# Altium PCB F407.PcbDoc (part 3 of 3)
Units mil, origin at the board's own origin, x right, y up, seen from the top; angles counter-clockwise.
Board outline 3789 x 2423 mil, 2 copper layers (Top Layer, Bottom Layer); 112 components, 163 nets, 540 pads, 276 vias.
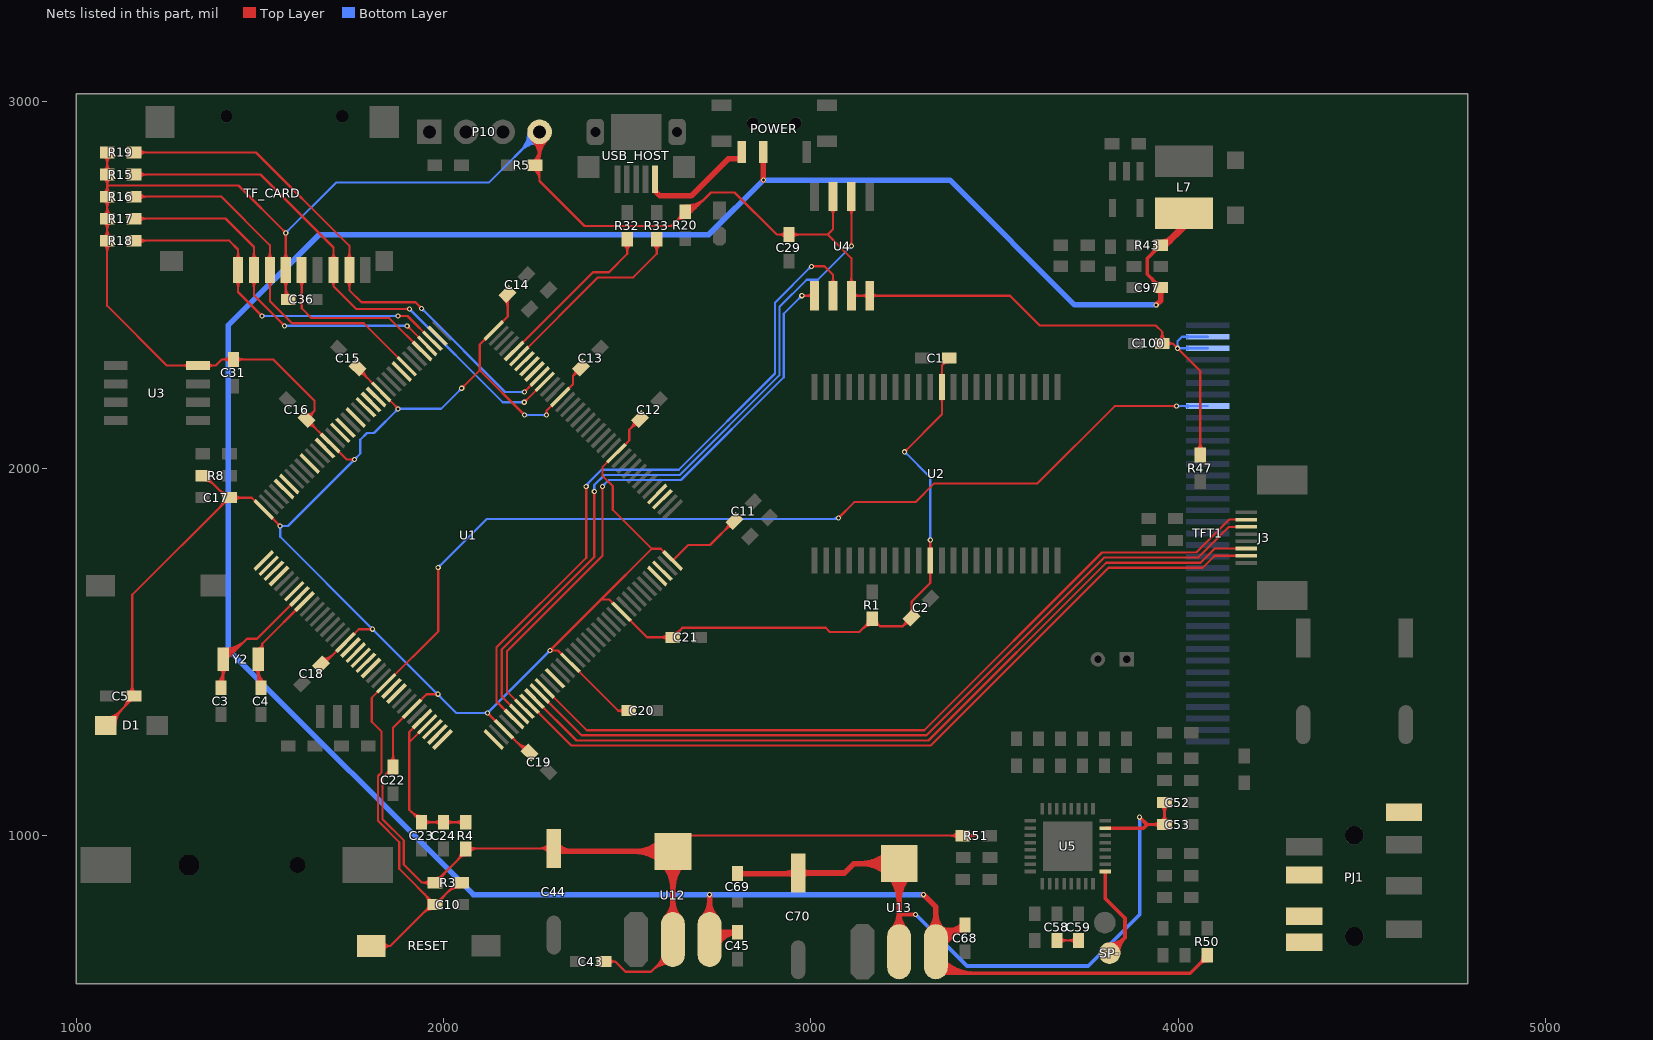
[diagram p3: the nets of this part, all layers, seen from the top]

## Via types
v1: diameter 14, hole 8, Top Layer to Bottom Layer, 267 vias
v2: diameter 27.56, hole 15.75, Top Layer to Bottom Layer, 9 vias

## Nets (pads, with @x,y where several pads share a name; then routed paths per layer and width w, separated by ;. In a path a pad name is that pad's centre, name@x,y a point inside that pad or via, vN(x,y) a via of type N, cw(c..) or ccw(c..) an arc to the next point about the centre after c; other vN are vias at no path point) (continued)
NetSP-_1: SP-.1 U5.25 | length 409.8
  Top Layer w10: U5.25@3801.41,902.1 3801.41,828.59 3855,775 3855,722 SP-.1@3813,680 ; SP-.1@3813,694.53 ccw(c3813,729.6) 3837.8,704.8 ccw(c3862.6,680) SP-.1@3827.53,680 ; SP-.1@3813,704.53 ccw(c3813,763.74) 3854.87,721.87 ccw(c3896.74,680) SP-.1@3837.53,680
PA0: U1.34
PA1: U1.35
PA2: U1.36
PA3: U1.37
PA5: U1.41 U4.6 | length 1950.1
  Top Layer w6: U1.41@2191.78,1317.26 2144,1365.05 2144,1512.6 2388,1756.6 v1(2388,1951) ; v1@2385.17,1948.17 cw(c2378.34,1941.34) 2388,1941.34 cw(c2397.66,1941.34) v1@2390.83,1948.17 ; v1(3001,2550) 3037,2550 3060,2527 U4.6@3060,2470 ; v1@3003.83,2547.17 cw(c3010.66,2540.34) 3010.66,2550 cw(c3010.66,2559.66) v1@3003.83,2552.83 ; U4.6@3053.64,2504.36 ccw(c3038.27,2519.73) 3060,2519.73 ccw(c3081.73,2519.73) U4.6@3066.36,2504.36
  Bottom Layer w6: v1(2388,1951) 2388,1954.46 2429.54,1996 2639.97,1996 2902,2258.03 2902,2451 v1(3001,2550) ; v1@2392,1951 cw(c2410,1951) 2397.27,1963.73 ; v1@2997,2550 cw(c2987.34,2550) 2994.17,2543.17 cw(c3001,2536.34) v1@3001,2546
PA6: U1.42 U4.2 | length 2055.6
  Top Layer w6: U1.42@2205.7,1331.18 2158,1378.89 2158,1506.8 2410,1758.8 v1(2410,1937) ; v1@2407.17,1934.17 cw(c2400.34,1927.34) 2410,1927.34 cw(c2419.66,1927.34) v1@2412.83,1934.17 ; U4.2@3103.57,2705.64 cw(c3088.05,2690.12) 3110,2690.12 ; v1@3107.17,2607.83 ccw(c3100.34,2614.66) 3110,2614.66 ccw(c3119.66,2614.66) v1@3112.83,2607.83 ; U4.2@3109.94,2740 3110,2739.94 v1(3110,2605) ; 3110,2690.43 cw(c3131.51,2690.43) U4.2@3116.3,2705.64
  Bottom Layer w6: v1@2407.17,1939.83 ccw(c2400.34,1946.66) 2410,1946.66 ccw(c2419.66,1946.66) v1@2412.83,1939.83 ; v1(2410,1937) 2410,1954.46 2437.54,1982 2642.94,1982 2914,2253.06 2914,2439 2988.4,2513.4 3018.4,2513.4 v1(3110,2605) ; v1@3106,2605 cw(c3096.34,2605) 3103.17,2598.17 cw(c3110,2591.34) v1@3110,2601
PA7: U1.43 U4.5 | length 1722.4
  Top Layer w6: U1.43@2219.62,1345.1 2172,1392.73 2172,1501 2432,1761 v1(2432,1951) ; v1@2429.17,1948.17 cw(c2422.34,1941.34) 2432,1941.34 cw(c2441.66,1941.34) v1@2434.83,1948.17 ; v1(2975,2470) U4.5@3010,2470 ; v1@2977.83,2467.17 cw(c2984.66,2460.34) 2984.66,2470 cw(c2984.66,2479.66) v1@2977.83,2472.83 ; U4.5@3003.64,2463.64 ccw(c2988.27,2448.27) 2988.27,2470 ccw(c2988.27,2491.73) U4.5@3003.64,2476.36
  Bottom Layer w6: v1(2432,1951) 2449,1968 2645.91,1968 2926,2248.09 2926,2421 v1(2975,2470) ; v1@2432,1955 ccw(c2432,1964.66) 2438.83,1957.83 ccw(c2445.66,1951) v1@2436,1951 ; v1@2971,2470 cw(c2961.34,2470) 2968.17,2463.17 cw(c2975,2456.34) v1@2975,2466
PA8: U1.100
PA9: U1.101
PA10: U1.102
PA11: R33.2 U1.103 | length 603.1
  Top Layer w6: U1.103@2205.7,2305.54 2420.16,2520 2516,2520 2580,2584 R33.2@2580,2623.5 ; R33.2@2570.99,2610.23 cw(c2549.22,2588.47) 2580,2588.47 cw(c2610.78,2588.47) R33.2@2589.01,2610.23 ; R33.2@2575.23,2614.48 cw(c2563.71,2602.96) 2580,2602.96 cw(c2596.29,2602.96) R33.2@2584.77,2614.48
PA12: R32.2 U1.104 | length 531.2
  Top Layer w6: U1.104@2191.78,2319.46 2406.32,2534 2450,2534 2500,2584 R32.2@2500,2623.5 ; R32.2@2490.99,2610.23 cw(c2469.22,2588.47) 2500,2588.47 cw(c2530.78,2588.47) R32.2@2509.01,2610.23 ; R32.2@2495.23,2614.48 cw(c2483.71,2602.96) 2500,2602.96 cw(c2516.29,2602.96) R32.2@2504.77,2614.48
PA15: U1.110
PB0: J3.3 U1.46 | length 2205.9
  Top Layer w6: U1.46@2261.38,1386.86 2375.24,1273 3314.4,1273 3798.4,1757 4054.8,1757 4138.43,1840.63 J3.3@4185,1840.63
PB1: J3.2 U1.47 | length 2194.3
  Top Layer w6: U1.47@2275.3,1400.78 2389.08,1287 3308.6,1287 3792.6,1771 4049,1771 4138.31,1860.32 J3.2@4185,1860.32
PB5: U1.135
PB8: U1.139
PB9: U1.140
PB10: U1.69
PB11: U1.70
PB14: U1.75
PB15: U1.76
PC0: U1.26
PC1: U1.27
PC4: J3.7 U1.44 | length 2212.8
  Top Layer w6: U1.44@2233.54,1359.02 2347.57,1245 3326,1245 3810,1729 4066.4,1729 4099.29,1761.89 J3.7@4185,1761.89
PC5: J3.6 U1.45 | length 2201.2
  Top Layer w6: U1.45@2247.46,1372.94 2361.4,1259 3320.2,1259 3804.2,1743 4060.6,1743 4099.17,1781.58 J3.6@4185,1781.58
PC8: R15.1 TF_CARD.7 U1.98 | length 1667.3
  Top Layer w6: R15.1@1156.5,2800 1501,2800 1699.84,2601.16 TF_CARD.7@1699.84,2540 1699.84,2496.16 ; R15.1@1165.52,2795.23 cw(c1177.04,2783.71) 1177.04,2800 cw(c1177.04,2816.29) R15.1@1165.52,2804.77 ; R15.1@1169.77,2790.99 cw(c1191.53,2769.22) 1191.53,2800 cw(c1191.53,2830.78) R15.1@1169.77,2809.01 ; TF_CARD.7@1692.22,2569.28 ccw(c1673.82,2587.68) 1699.84,2587.68 ccw(c1725.87,2587.68) TF_CARD.7@1707.46,2569.28 ; TF_CARD.7@1693.18,2509.87 cw(c1682.4,2496.16) 1699.84,2496.16 ; TF_CARD.7@1706.51,2509.87 ccw(c1717.29,2496.16) 1699.84,2496.16 ; v1@1904.17,2431.17 ccw(c1897.34,2424.34) 1897.34,2434 ccw(c1897.34,2443.66) v1@1904.17,2436.83 ; v1(1907,2434) 1762,2434 1699.84,2496.16 ; v1(2219.35,2180) U1.98@2275.3,2235.95 ; v1@2219.35,2184 ccw(c2219.35,2193.66) 2226.18,2186.83 ccw(c2233.01,2180) v1@2223.35,2180
  Bottom Layer w6: v1@1907,2430 cw(c1907,2420.34) 1913.83,2427.17 cw(c1920.66,2434) v1@1911,2434 ; v1(1907,2434) 2161,2180 v1(2219.35,2180) ; v1@2216.53,2177.17 ccw(c2209.7,2170.34) 2209.7,2180 ccw(c2209.7,2189.66) v1@2216.53,2182.83
PC9: R19.1 TF_CARD.8 U1.99 | length 1679.5
  Top Layer w6: R19.1@1156.5,2860 1489,2860 1743.15,2605.85 TF_CARD.8@1743.15,2540 1743.15,2484.85 1776,2452 1923,2452 v1(1940,2435) ; R19.1@1165.52,2855.23 cw(c1177.04,2843.71) 1177.04,2860 cw(c1177.04,2876.29) R19.1@1165.52,2864.77 ; R19.1@1169.77,2850.99 cw(c1191.53,2829.22) 1191.53,2860 cw(c1191.53,2890.78) R19.1@1169.77,2869.01 ; TF_CARD.8@1735.53,2510.72 cw(c1717.13,2492.32) 1743.15,2492.32 cw(c1769.17,2492.32) TF_CARD.8@1750.77,2510.72 ; TF_CARD.8@1735.53,2569.28 ccw(c1717.13,2587.68) 1743.15,2587.68 ccw(c1769.17,2587.68) TF_CARD.8@1750.77,2569.28 ; v1@1936,2435 ccw(c1926.34,2435) 1933.17,2441.83 ccw(c1940,2448.66) v1@1940,2439 ; v1(2219.52,2208) U1.99@2261.38,2249.86 ; v1@2219.52,2212 ccw(c2219.52,2221.66) 2226.35,2214.83 ccw(c2233.18,2208) v1@2223.52,2208
  Bottom Layer w6: v1@1940,2431 cw(c1940,2421.34) 1946.83,2428.17 cw(c1953.66,2435) v1@1944,2435 ; v1(1940,2435) 2167,2208 v1(2219.52,2208) ; v1@2216.69,2205.17 ccw(c2209.86,2198.34) 2209.86,2208 ccw(c2209.86,2217.66) v1@2216.69,2210.83
PC10: R18.1 TF_CARD.1 U1.111 | length 1209.8
  Top Layer w6: R18.1@1156.5,2620 1416,2620 1440,2596 TF_CARD.1@1440,2540 1440,2480 v1(1505,2415) ; R18.1@1165.52,2615.23 cw(c1177.04,2603.71) 1177.04,2620 cw(c1177.04,2636.29) R18.1@1165.52,2624.77 ; R18.1@1169.77,2610.99 cw(c1191.53,2589.22) 1191.53,2620 cw(c1191.53,2650.78) R18.1@1169.77,2629.01 ; TF_CARD.1@1432.38,2510.72 cw(c1413.98,2492.32) 1440,2492.32 cw(c1466.02,2492.32) TF_CARD.1@1447.62,2510.72 ; TF_CARD.1@1432.38,2569.28 ccw(c1413.98,2587.68) 1440,2587.68 ccw(c1466.02,2587.68) TF_CARD.1@1447.62,2569.28 ; v1@1501,2415 ccw(c1491.34,2415) 1498.17,2421.83 ccw(c1505,2428.66) v1@1505,2419 ; v1(1876,2415) 1901.37,2415 U1.111@1969.07,2347.3 ; v1@1878.83,2412.17 cw(c1885.66,2405.34) 1885.66,2415 cw(c1885.66,2424.66) v1@1878.83,2417.83
  Bottom Layer w6: v1(1505,2415) v1(1876,2415) ; v1@1507.83,2412.17 cw(c1514.66,2405.34) 1514.66,2415 cw(c1514.66,2424.66) v1@1507.83,2417.83 ; v1@1873.17,2412.17 ccw(c1866.34,2405.34) 1866.34,2415 ccw(c1866.34,2424.66) v1@1873.17,2417.83
PC11: R17.1 TF_CARD.2 U1.112 | length 1235.8
  Top Layer w6: R17.1@1156.5,2680 1406,2680 1483.31,2602.69 TF_CARD.2@1483.31,2540 1483.31,2470.89 v1(1566.2,2388) ; R17.1@1165.52,2675.23 cw(c1177.04,2663.71) 1177.04,2680 cw(c1177.04,2696.29) R17.1@1165.52,2684.77 ; R17.1@1169.77,2670.99 cw(c1191.53,2649.22) 1191.53,2680 cw(c1191.53,2710.78) R17.1@1169.77,2689.01 ; TF_CARD.2@1475.68,2510.72 cw(c1457.28,2492.32) 1483.31,2492.32 cw(c1509.33,2492.32) TF_CARD.2@1490.93,2510.72 ; TF_CARD.2@1475.68,2569.28 ccw(c1457.28,2587.68) 1483.31,2587.68 ccw(c1509.33,2587.68) TF_CARD.2@1490.93,2569.28 ; v1@1562.2,2388 ccw(c1552.54,2388) 1559.37,2394.83 ccw(c1566.2,2401.66) v1@1566.2,2392 ; v1@1900.53,2384 cw(c1900.53,2374.34) 1907.36,2381.17 cw(c1914.19,2388) v1@1904.53,2388 ; v1(1900.53,2388) U1.112@1955.15,2333.38
  Bottom Layer w6: v1(1566.2,2388) v1(1900.53,2388) ; v1@1569.03,2385.17 cw(c1575.86,2378.34) 1575.86,2388 cw(c1575.86,2397.66) v1@1569.03,2390.83 ; v1@1897.71,2385.17 ccw(c1890.88,2378.34) 1890.88,2388 ccw(c1890.88,2397.66) v1@1897.71,2390.83
PC12: TF_CARD.5 U1.113 | length 521.3
  Top Layer w6: TF_CARD.5@1605.61,2510.72 cw(c1587.2,2492.32) 1613.23,2492.32 cw(c1639.25,2492.32) TF_CARD.5@1620.85,2510.72 ; TF_CARD.5@1613.23,2540 1613.23,2435.77 1640,2409 1851.7,2409 U1.113@1941.23,2319.46
PC13: U1.7
PC14: C3.2 U1.8 Y2.1 | length 766.5
  Top Layer w6: C3.2@1384.51,1415.99 ccw(c1347.13,1453.37) Y2.1@1400,1453.37 ; C3.2@1388.76,1411.74 ccw(c1361.62,1438.88) 1400,1438.88 ; Y2.1@1390.99,1455.24 cw(c1369.22,1433.48) 1400,1433.48 cw(c1430.78,1433.48) Y2.1@1409.01,1455.24 ; C3.2@1393,1407.5 ccw(c1376.1,1424.4) 1400,1424.4 ; Y2.1@1395.23,1459.48 cw(c1383.71,1447.96) 1400,1447.96 cw(c1416.29,1447.96) Y2.1@1404.77,1459.48 ; C3.2@1400,1409.5 1400,1471 1465,1536 1491.84,1536 U1.8@1607.17,1651.33 ; Y2.1@1400,1472.5 ccw(c1400,1476.11) Y2.1@1402.55,1473.55 ; Y2.1@1400,1478.5 ccw(c1400,1496.59) Y2.1@1412.8,1483.8 ; Y2.1@1400,1484.5 ccw(c1400,1517.08) 1423.04,1494.04 ; Y2.1@1400,1490.5 ccw(c1400,1537.56) 1433.28,1504.28 ; Y2.1@1400,1496.5 ccw(c1400,1558.05) 1443.52,1514.52 ; Y2.1@1400,1502.5 ccw(c1400,1578.53) 1453.77,1524.77 ; Y2.1@1400,1508.5 ccw(c1400,1599.02) 1464.01,1535.01
PC15: C4.1 U1.9 Y2.2 | length 513.6
  Top Layer w6: Y2.2@1485.47,1455.24 cw(c1463.71,1433.48) 1494.49,1433.48 cw(c1525.26,1433.48) Y2.2@1503.5,1455.24 ; Y2.2@1489.72,1459.48 cw(c1478.2,1447.96) 1494.49,1447.96 cw(c1510.78,1447.96) Y2.2@1499.26,1459.48 ; Y2.2@1493.32,1508.44 ccw(c1492.06,1522.1) 1505.78,1522.1 ; Y2.2@1493.87,1502.47 ccw(c1492.67,1515.53) 1505.78,1515.53 ; Y2.2@1494.42,1496.49 ccw(c1493.27,1508.95) Y2.2@1505.78,1508.95 ; C4.1@1494.49,1411.01 Y2.2@1494.49,1480 1505.78,1491.29 1505.78,1522.1 ; 1494.49,1428.05 ccw(c1523.55,1428.05) C4.1@1503,1407.5 ; 1494.49,1442.53 ccw(c1538.03,1442.53) C4.1@1507.24,1411.74 ; Y2.2@1494.49,1457.02 ccw(c1552.52,1457.02) C4.1@1511.49,1415.99 ; U1.9@1621.09,1637.41 1505.78,1522.1
PD2: R16.1 TF_CARD.3 U1.116 | length 1179.2
  Top Layer w6: R16.1@1156.5,2740 1394,2740 1526.61,2607.39 TF_CARD.3@1526.61,2540 1526.61,2455.39 1587,2395 1782.18,2395 U1.116@1899.48,2277.7 ; R16.1@1165.52,2735.23 cw(c1177.04,2723.71) 1177.04,2740 cw(c1177.04,2756.29) R16.1@1165.52,2744.77 ; R16.1@1169.77,2730.99 cw(c1191.53,2709.22) 1191.53,2740 cw(c1191.53,2770.78) R16.1@1169.77,2749.01 ; TF_CARD.3@1518.99,2510.72 cw(c1500.59,2492.32) 1526.61,2492.32 cw(c1552.64,2492.32) TF_CARD.3@1534.24,2510.72 ; TF_CARD.3@1518.99,2569.28 ccw(c1500.59,2587.68) 1526.61,2587.68 ccw(c1552.64,2587.68) TF_CARD.3@1534.24,2569.28
PD3: U1.117
PD6: U1.122
PD7: U1.123
PE2: U1.1
PE3: U1.2
PE4: U1.3
PE5: U1.4
PF6: U1.18
PF7: U1.19
PF8: U1.20
PF9: U1.21
PF10: U1.22
PF11: U1.49
PG9: U1.124
PG11: U1.126
PG13: U1.128
PG14: U1.129
PG15: U1.132
PJ_G: PJ1.7
PJ_L: PJ1.5
PJ_M: PJ1.8
PJ_R: PJ1.6
PWM_AUDIO: C58.2 C59.2 | length 150.5
  Top Layer w6: C58.2@3669.47,714.5 C59.2@3729,714.5 ; C58.2@3677.96,706.01 cw(c3698.44,685.53) 3698.44,714.5 cw(c3698.44,743.47) C58.2@3677.96,722.99 ; C59.2@3720.51,706.01 ccw(c3700.03,685.53) 3700.03,714.5 ccw(c3700.03,743.47) C59.2@3720.51,722.99
RESET: C10.2 R3.1 RESET.1 TFT1.8 U1.25 | length 4138.1
  Top Layer w6: RESET.1@1802.69,699.21 1854.21,699.21 ; RESET.1@1831.12,690.52 cw(c1844.78,684.14) 1844.78,699.21 cw(c1844.78,714.29) RESET.1@1831.12,707.91 ; RESET.1@1836.56,687.98 cw(c1854.21,679.73) 1854.21,699.21 ; RESET.1@1836.56,710.45 ccw(c1854.21,718.7) 1854.21,699.21 ; 1943.33,788.33 cw(c1971.5,760.17) C10.2@1971.5,800 ; 1947.48,841.02 cw(c1918.46,812) 1959.5,812 cw(c1941.39,812) 1954.2,799.2 ; 1953.58,798.58 cw(c1971.5,780.65) C10.2@1971.5,806 ; 1957.72,830.78 cw(c1938.94,812) C10.2@1965.5,812 ; 1959.55,828.95 ccw(c1971.5,840.9) C10.2@1971.5,824 ; C10.2@1981.5,824 ccw(c1981.5,840.9) 1993.45,828.95 ; v1@1982.17,1727.17 cw(c1975.34,1720.34) 1985,1720.34 cw(c1994.66,1720.34) v1@1987.83,1727.17 ; v1(1985,1730) 1985,1555.9 U1.25@1843.8,1414.7 1804,1374.9 1804,1310 1831,1283 1831,1172.47 1821,1162.47 1821,1040 1879,982 1879,909.5 C10.2@1976.5,812 ; C10.2@1987.5,812 cw(c2014.06,812) 1995.28,830.78 ; C10.2@1993.5,812 cw(c2034.54,812) 2005.52,841.02 ; 2008.55,844.05 cw(c2045.25,807.36) R3.1@2045.25,859.25 ; 2018.79,854.29 cw(c2045.25,827.84) R3.1@2045.25,865.25 ; 2029.04,864.54 cw(c2045.25,848.33) R3.1@2045.25,871.25 ; R3.1@2029.67,865.17 ccw(c2022.84,872) R3.1@2032.5,872 ; R3.1@2036.5,872 C10.2@1976.5,812 ; v1(3075,1865) 3118,1908 3284.8,1908 3335.8,1959 3617,1959 3827.38,2169.38 v1(3995.38,2169.38) ; v1@3075,1869 ccw(c3075,1878.66) 3081.83,1871.83 ccw(c3088.66,1865) v1@3079,1865 ; v1@3992.55,2166.55 ccw(c3985.72,2159.72) 3985.72,2169.38 ccw(c3985.72,2179.03) v1@3992.55,2172.21 ; 1854.21,699.21 1967,812 C10.2@1976.5,812
  Bottom Layer w6: v1(1985,1730) 2117,1862 3072,1862 v1(3075,1865) ; v1@1985,1734 ccw(c1985,1743.66) 1991.83,1736.83 ccw(c1998.66,1730) v1@1989,1730 ; 3058.1,1862 ccw(c3058.1,1881.9) v1@3072.17,1867.83 ; v1(3995.38,2169.38) TFT1.8@4080.79,2169.38 ; v1@3998.21,2166.55 cw(c4005.03,2159.72) 4005.03,2169.38 cw(c4005.03,2179.03) v1@3998.21,2172.21 ; TFT1.8@4026.16,2165.93 ccw(c4017.84,2157.61) 4017.84,2169.38 ccw(c4017.84,2181.14) TFT1.8@4026.16,2172.82
VCC3.3: C1.2 C2.2 C5.2 C11.2 C12.2 C13.2 C14.2 C15.2 C16.2 C17.2 C18.2 C19.2 C20.2 C21.2 C22.2 C29.1 C31.1 C36.1 C43.2 C44.1 C100.2 D1.1 P10.4 R1.2 R3.2 R4.2 R5.2 R8.1 R15.2 R16.2 R17.2 R18.2 R19.2 R20.1 R47.2 R51.2 TF_CARD.4 TFT1.2 TFT1.3 U1.17 U1.30 U1.39 U1.52 U1.62 U1.72 U1.84 U1.95 U1.108 U1.121 U1.131 U1.144 U2.11 U2.33 U3.8 U4.3 U4.7 U4.8 U12.2 U12.4 | length 21490.6
  Top Layer w6: R18.2@1074.49,2610.99 cw(c1052.72,2589.22) 1083.5,2589.22 cw(c1114.28,2589.22) R18.2@1092.51,2610.99 ; R18.2@1074.49,2629.01 ccw(c1052.72,2650.78) 1083.5,2650.78 ccw(c1114.28,2650.78) R18.2@1092.51,2629.01 ; R17.2@1074.49,2670.99 cw(c1052.72,2649.22) 1083.5,2649.22 cw(c1114.28,2649.22) R17.2@1092.51,2670.99 ; R17.2@1074.49,2689.01 ccw(c1052.72,2710.78) 1083.5,2710.78 ccw(c1114.28,2710.78) R17.2@1092.51,2689.01 ; R16.2@1074.49,2730.99 cw(c1052.72,2709.22) 1083.5,2709.22 cw(c1114.28,2709.22) R16.2@1092.51,2730.99 ; R15.2@1074.49,2809.01 ccw(c1052.72,2830.78) 1083.5,2830.78 ccw(c1114.28,2830.78) R15.2@1092.51,2809.01 ; R19.2@1074.49,2850.99 cw(c1052.72,2829.22) 1083.5,2829.22 cw(c1114.28,2829.22) R19.2@1092.51,2850.99 ; R16.2@1074.65,2749.18 ccw(c1054.58,2770) 1083.5,2770 ; R15.2@1074.65,2790.82 cw(c1054.58,2770) 1083.5,2770 ; R18.2@1078.73,2615.23 cw(c1067.21,2603.71) 1083.5,2603.71 cw(c1099.79,2603.71) R18.2@1088.27,2615.23 ; R18.2@1078.73,2624.77 ccw(c1067.21,2636.29) 1083.5,2636.29 ccw(c1099.79,2636.29) R18.2@1088.27,2624.77 ; R17.2@1078.73,2675.23 cw(c1067.21,2663.71) 1083.5,2663.71 cw(c1099.79,2663.71) R17.2@1088.27,2675.23 ; R17.2@1078.73,2684.77 ccw(c1067.21,2696.29) 1083.5,2696.29 ccw(c1099.79,2696.29) R17.2@1088.27,2684.77 ; R16.2@1078.73,2735.23 cw(c1067.21,2723.71) 1083.5,2723.71 cw(c1099.79,2723.71) R16.2@1088.27,2735.23 ; R15.2@1078.73,2804.77 ccw(c1067.21,2816.29) 1083.5,2816.29 ccw(c1099.79,2816.29) R15.2@1088.27,2804.77 ; R19.2@1078.73,2855.23 cw(c1067.21,2843.71) 1083.5,2843.71 cw(c1099.79,2843.71) R19.2@1088.27,2855.23 ; R16.2@1078.82,2744.86 ccw(c1068.19,2755.88) 1083.5,2755.88 ccw(c1098.81,2755.88) R16.2@1088.18,2744.86 ; R15.2@1078.82,2795.14 cw(c1068.19,2784.12) 1083.5,2784.12 cw(c1098.81,2784.12) R15.2@1088.18,2795.14 ; D1.1@1080,1300 1152,1372 1152,1655.5 C17.2@1416.5,1920 ; R19.2@1083.5,2860 R15.2@1083.5,2800 1083.5,2770 ; D1.1@1083.94,1316.59 ccw(c1083.94,1347.14) D1.1@1105.54,1325.54 ; D1.1@1083.94,1322.59 ccw(c1083.94,1367.62) 1115.78,1335.78 ; R16.2@1092.35,2749.18 cw(c1112.42,2770) 1083.5,2770 ; R15.2@1092.35,2790.82 ccw(c1112.42,2770) 1083.5,2770 ; D1.1@1094.53,1300 cw(c1129.6,1300) D1.1@1104.8,1324.8 ; D1.1@1100.53,1300 cw(c1150.09,1300) 1115.04,1335.04 ; D1.1@1106.53,1300 cw(c1170.57,1300) 1125.29,1345.29 ; 1125,1345 ccw(c1090.01,1380) C5.2@1139.5,1380 ; 1135.25,1355.25 ccw(c1110.49,1380) C5.2@1145.5,1380 ; C5.2@1143.01,1388.49 ccw(c1121.32,1410.18) 1152,1410.18 ; C5.2@1145.49,1365.49 ccw(c1130.98,1380) C5.2@1151.5,1380 ; C5.2@1145.53,1365.53 cw(c1151.5,1359.55) C5.2@1151.5,1368 ; C5.2@1147.26,1384.24 ccw(c1135.81,1395.69) 1152,1395.69 ; 1152,1407.76 ccw(c1179.26,1407.76) C5.2@1159.99,1388.49 ; U3.8@1304.69,2273.28 ccw(c1288.47,2257.07) 1288.47,2280 ccw(c1288.47,2302.93) U3.8@1304.69,2286.72 ; R8.1@1343.5,1980 1350,1980 1410,1920 C17.2@1416.5,1920 ; R8.1@1347.75,1967.25 cw(c1347.75,1931.05) 1373.35,1956.65 ; R8.1@1347.75,1973.25 cw(c1347.75,1951.53) R8.1@1363.11,1966.89 ; U3.8@1358.13,2273.28 cw(c1374.35,2257.07) 1374.35,2280 cw(c1374.35,2302.93) U3.8@1358.13,2286.72 ; R8.1@1360.5,1980 ccw(c1385.85,1980) 1367.92,1962.08 ; 1387.48,1890.98 ccw(c1358.46,1920) 1399.5,1920 ccw(c1374.15,1920) 1392.08,1937.92 ; 1388.45,1941.55 ccw(c1411.5,1964.59) C17.2@1411.5,1932 ; 1397.72,1901.22 ccw(c1378.94,1920) C17.2@1405.5,1920 ; C17.2@1398.7,1931.3 ccw(c1411.5,1944.11) C17.2@1411.5,1926 ; 1399.55,1903.05 cw(c1411.5,1891.1) C17.2@1411.5,1908 ; C31.1@1418.51,2288.01 ccw(c1398.03,2267.53) 1398.03,2296.5 ccw(c1398.03,2325.47) C31.1@1418.51,2304.99 ; C17.2@1429.99,1911.51 cw(c1450.47,1891.03) 1450.47,1920 cw(c1450.47,1948.97) C17.2@1429.99,1928.49 ; C31.1@1435.49,2288.01 cw(c1455.97,2267.53) 1455.97,2296.5 cw(c1455.97,2325.47) C31.1@1435.49,2304.99 ; v1@1550.69,1843 ccw(c1541.04,1843) 1547.86,1849.83 ccw(c1554.69,1856.66) v1@1554.69,1847 ; v1(1554.69,1843) U1.144@1509.73,1887.96 1477.69,1920 C17.2@1416.5,1920 ; TF_CARD.4@1562.3,2510.72 cw(c1543.9,2492.32) 1569.92,2492.32 cw(c1595.95,2492.32) TF_CARD.4@1577.54,2510.72 ; TF_CARD.4@1562.3,2569.28 ccw(c1543.9,2587.68) 1569.92,2587.68 ccw(c1595.95,2587.68) TF_CARD.4@1577.54,2569.28 ; C36.1@1563.24,2468.49 ccw(c1547.12,2484.61) 1569.92,2484.61 ; v1@1565.92,2641.08 ccw(c1556.26,2641.08) 1563.09,2647.91 ccw(c1569.92,2654.74) v1@1569.92,2645.08 ; v1@1567.09,2638.25 cw(c1560.26,2631.42) 1569.92,2631.42 cw(c1579.58,2631.42) v1@1572.75,2638.25 ; C36.1@1569.92,2466.81 TF_CARD.4@1569.92,2540 v1(1569.92,2641.08) 1441,2770 1083.5,2770 ; 1569.92,2478.85 ccw(c1590.58,2478.85) C36.1@1575.97,2464.24 ; 1569.92,2493.33 ccw(c1605.06,2493.33) C36.1@1580.21,2468.49 ; C16.2@1625.81,2146.19 ccw(c1625.81,2175.16) 1646.29,2154.68 ccw(c1666.78,2134.19) C16.2@1637.81,2134.19 ; C16.2@1629.34,2118.66 cw(c1629.34,2090.66) 1649.14,2110.45 ; C16.2@1635.34,2130.66 ccw(c1650.8,2130.66) 1639.87,2119.73 ; C16.2@1641.34,2130.66 ccw(c1671.29,2130.66) 1650.11,2109.48 ; C18.2@1669.34,1475.34 ccw(c1669.34,1505.25) 1690.49,1484.1 ; C18.2@1669.34,1481.34 ccw(c1669.34,1525.74) 1700.74,1494.35 ; C18.2@1672.2,1465.81 U1.17@1732.44,1526.06 1768.39,1562 v1(1806,1562) ; C18.2@1681.34,1469.34 cw(c1694.89,1469.34) 1685.31,1478.92 ; v1@1754.17,2021.17 ccw(c1747.34,2014.34) 1747.34,2024 ccw(c1747.34,2033.66) v1@1754.17,2026.83 ; v1(1757,2024) 1735.6,2024 U1.131@1690.69,2068.91 1625.81,2133.79 C16.2@1625.81,2134.19 1648,2156.38 1648,2184 1535.5,2296.5 C31.1@1427,2296.5 1395.5,2296.5 1379,2280 U3.8@1331.41,2280 1246,2280 1083.5,2442.5 R18.2@1083.5,2620 R17.2@1083.5,2680 R16.2@1083.5,2740 1083.5,2770 ; C15.2@1765.81,2272.18 U1.121@1829.88,2208.11 v1(1875.99,2162) ; C15.2@1769.34,2258.66 cw(c1769.34,2234.55) 1786.39,2251.59 ; C15.2@1775.34,2270.66 ccw(c1794.69,2270.66) 1781.01,2256.97 ; C15.2@1781.34,2270.66 ccw(c1815.18,2270.66) 1791.25,2246.73 ; v1@1803.17,1559.17 ccw(c1796.34,1552.34) 1796.34,1562 ccw(c1796.34,1571.66) v1@1803.17,1564.83 ; C22.2@1853.51,1199.99 ccw(c1833.03,1220.47) 1862,1220.47 ccw(c1890.97,1220.47) C22.2@1870.49,1199.99 ; v1@1871.99,2162 ccw(c1862.33,2162) 1869.16,2168.83 ccw(c1875.99,2175.66) v1@1875.99,2166 ; R3.2@1963.23,862.99 ccw(c1941.47,841.22) 1941.47,872 ccw(c1941.47,902.78) R3.2@1963.23,881.01 ; R3.2@1967.48,867.23 ccw(c1955.96,855.71) 1955.96,872 ccw(c1955.96,888.29) R3.2@1967.48,876.77 ; R3.2@1980.75,884.75 ccw(c1980.75,905.26) 1995.26,890.76 ; v1@1981.2,1382.15 ccw(c1974.37,1375.32) 1974.37,1384.97 ccw(c1974.37,1394.63) v1@1981.2,1387.8 ; v1(1984.03,1384.97) 1953.27,1384.97 U1.30@1913.4,1345.1 1862,1293.71 C22.2@1862,1186.5 1833,1157.5 1833,1044.97 1891,986.97 1891,921 1940,872 R3.2@1976.5,872 2060,955.5 R4.2@2060,963.5 ; R3.2@1987.5,872 cw(c2014.06,872) 1995.28,890.78 ; R3.2@1993.5,872 cw(c2034.54,872) 2005.52,901.02 ; 2035.59,931.09 ccw(c2007.43,959.25) R4.2@2047.25,959.25 ; 2044.64,940.14 cw(c2060,924.77) R4.2@2060,946.5 ; 2045.83,941.33 ccw(c2027.91,959.25) R4.2@2053.25,959.25 ; v1(2049,2218) 2098,2267 ; v1@2049,2222 ccw(c2049,2231.66) 2055.83,2224.83 ccw(c2062.66,2218) v1@2053,2218 ; R4.2@2060,965.11 C44.1@2300,965.11 ; R4.2@2064.77,958.73 cw(c2080.18,943.32) 2080.18,965.11 ; R4.2@2069.01,954.49 cw(c2094.66,928.84) 2094.66,965.11 ; R4.2@2069.01,972.51 ccw(c2086.89,990.39) 2086.89,965.11 ; v1@2119.37,1330 cw(c2119.37,1320.34) 2126.2,1327.17 cw(c2133.03,1334) v1@2123.37,1334 ; v1(2119.37,1334) U1.39@2163.94,1289.43 C19.2@2227.56,1225.81 ; C14.2@2162.17,2462.17 cw(c2133.15,2433.15) 2174.19,2433.15 ; C14.2@2166.41,2466.41 cw(c2147.63,2447.63) 2174.19,2447.63 ; 2174.19,2450.22 cw(c2191.09,2450.22) C14.2@2179.14,2462.17 ; C14.2@2174.19,2474.19 2174.19,2413.22 U1.108@2136.1,2375.14 2098,2337.03 2098,2267 ; 2198.85,1254.52 ccw(c2230.66,1286.32) C19.2@2230.66,1241.34 ; 2209.09,1244.28 ccw(c2230.66,1265.84) C19.2@2230.66,1235.34 ; 2214.86,1238.51 cw(c2205.69,1229.34) C19.2@2218.66,1229.34 ; v1@2216,2145 ccw(c2206.34,2145) 2213.17,2151.83 ccw(c2220,2158.66) v1@2220,2149 ; v1(2220,2145) 2098,2267 ; P10.4@2239.46,2894.46 cw(c2187.45,2842.45) 2261,2842.45 cw(c2334.55,2842.45) P10.4@2282.54,2894.46 ; P10.4@2243.7,2898.7 cw(c2201.94,2856.94) 2261,2856.94 cw(c2320.06,2856.94) P10.4@2278.3,2898.7 ; R5.2@2243.74,2834.01 ccw(c2202.06,2875.69) 2261,2875.69 ; R5.2@2244.86,2814.99 cw(c2218.62,2781.71) 2261,2781.71 ; P10.4@2247.94,2902.94 cw(c2216.42,2871.42) 2261,2871.42 cw(c2305.58,2871.42) P10.4@2274.06,2902.94 ; R5.2@2247.98,2829.77 ccw(c2216.55,2861.2) 2261,2861.2 ; R5.2@2248.57,2819.7 cw(c2228.37,2794.08) 2261,2794.08 ; R5.2@2252.22,2825.53 ccw(c2231.03,2846.72) 2261,2846.72 ; R5.2@2252.29,2824.41 cw(c2238.13,2806.45) 2261,2806.45 ; P10.4@2261,2916 2261,2782.5 2383.5,2660 2619.73,2660 R20.1@2658.22,2698.5 2675.5,2698.5 ; v1@2277.17,2147.83 ccw(c2270.34,2154.66) 2280,2154.66 ccw(c2289.66,2154.66) v1@2282.83,2147.83 ; v1(2280,2145) 2280,2157.13 U1.95@2317.06,2194.19 2352,2229.13 2352,2252 ; C44.1@2288.2,953.31 ccw(c2259.72,924.83) 2259.72,965.11 ccw(c2259.72,1005.39) C44.1@2288.2,976.91 ; v1@2289.37,1508 ccw(c2289.37,1517.66) 2296.2,1510.83 ccw(c2303.03,1504) v1@2293.37,1504 ; v1@2292.2,1501.17 cw(c2299.03,1494.34) 2299.03,1504 cw(c2299.03,1513.66) v1@2292.2,1506.83 ; C44.1@2292.44,957.55 ccw(c2274.2,939.31) 2274.2,965.11 ccw(c2274.2,990.91) C44.1@2292.44,972.67 ; C13.2@2358.68,2269.83 cw(c2335.74,2268.26) 2352,2252 ; C13.2@2369.83,2258.68 ccw(c2368.26,2235.74) 2352,2252 ; C13.2@2374.19,2274.19 2352,2252 ; C43.2@2436.5,657 2467,657 ; C43.2@2450.75,649.35 cw(c2467,635.91) 2467,657 ; C43.2@2450.75,664.65 ccw(c2467,678.09) 2467,657 ; C20.2@2488.71,1333.06 ccw(c2475.28,1323.53) 2475.28,1340 ccw(c2475.28,1356.47) C20.2@2488.71,1346.94 ; C20.2@2503.5,1340 2475.27,1340 U1.52@2344.9,1470.38 2311.27,1504 v1(2289.37,1504) 2428.37,1643 ; C12.2@2518.66,2130.66 cw(c2489.68,2130.66) 2510.17,2110.17 cw(c2530.66,2089.68) C12.2@2530.66,2118.66 ; C12.2@2534.19,2134.19 2505,2105 2505,2075.9 U1.84@2470.17,2041.07 2432,2002.9 2432,1980 2460,1952 2460,1887.37 2566.37,1781 ; 2565.75,630.75 cw(c2615.44,581.06) U12.2@2621.88,651.03 ; 2574.79,639.79 cw(c2616.96,597.63) U12.2@2622.43,657.01 ; 2583.84,648.84 cw(c2618.49,614.19) U12.2@2622.98,662.98 ; 2583.99,648.99 ccw(c2558.55,674.44) U12.2@2594.53,674.44 ; 2592.88,657.88 cw(c2620.01,630.76) U12.2@2623.53,668.96 ; 2594.24,659.24 ccw(c2579.04,674.44) U12.2@2600.53,674.44 ; C21.2@2610.01,1531.51 ccw(c2589.53,1511.03) 2589.53,1540 ccw(c2589.53,1568.97) C21.2@2610.01,1548.49 ; U12.2@2624.03,689.03 2564,629 2495,629 2467,657 ; U12.4@2624.03,956.94 2667.09,1000 3453.5,1000 ; C21.2@2628.5,1552 ccw(c2628.5,1568.9) 2640.45,1556.95 ; 2629.2,2669.48 cw(c2658.22,2640.45) R20.1@2658.22,2681.5 ; C21.2@2634.48,1540.53 cw(c2654.98,1542.37) 2640.42,1556.92 ; 2639.44,2679.72 cw(c2658.22,2660.94) R20.1@2658.22,2687.5 ; 2639.47,2679.74 ccw(c2624.96,2694.24) R20.1@2645.47,2694.24 ; C21.2@2640.45,1541.07 cw(c2671.64,1543.86) 2649.5,1566 ; R20.1@2658.22,2691.5 ccw(c2658.22,2716.3) 2675.76,2698.76 ; R20.1@2658.22,2697.5 ccw(c2658.22,2736.78) 2686,2709 ; R20.1@2658.22,2703.5 ccw(c2658.22,2757.27) 2696.25,2719.25 ; R20.1@2658.22,2709.5 ccw(c2658.22,2777.76) 2706.49,2729.49 ; R20.1@2658.22,2715.5 ccw(c2658.22,2798.24) 2716.73,2739.73 ; R20.1@2670.4,2694.74 cw(c2675.5,2693.17) 2675.5,2698.5 ; R20.1@2670.4,2702.25 ccw(c2675.5,2703.82) 2675.5,2698.5 ; C11.2@2775.66,1853.66 cw(c2746.68,1853.66) 2767.17,1833.17 cw(c2787.66,1812.68) C11.2@2787.66,1841.66 ; C11.2@2791.19,1857.19 2725,1791 2665.52,1791 U1.72@2623.28,1748.77 2591.05,1781 2566.37,1781 ; C29.1@2931.51,2628.01 ccw(c2911.03,2607.53) 2911.03,2636.5 ccw(c2911.03,2665.47) C29.1@2931.51,2644.99 ; C29.1@2948.49,2628.01 cw(c2968.97,2607.53) 2968.97,2636.5 cw(c2968.97,2665.47) C29.1@2948.49,2644.99 ; U4.3@3053.57,2705.64 cw(c3038.21,2690.27) 3059.94,2690.27 cw(c3081.66,2690.27) U4.3@3066.3,2705.64 ; U4.3@3059.94,2740 3059.94,2650.94 3045.5,2636.5 ; U4.7@3103.64,2504.36 ccw(c3088.27,2519.73) 3110,2519.73 ccw(c3131.73,2519.73) U4.7@3116.36,2504.36 ; U4.7@3116.36,2463.64 cw(c3131.73,2448.27) 3131.73,2470 cw(c3131.73,2491.73) U4.7@3116.36,2476.36 ; 3138.44,1561.48 cw(c3167.46,1532.46) R1.2@3167.46,1573.5 ; 3148.68,1571.72 cw(c3167.46,1552.94) R1.2@3167.46,1579.5 ; 3148.7,1571.74 ccw(c3134.2,1586.25) R1.2@3154.71,1586.25 ; U4.8@3153.64,2463.64 ccw(c3138.27,2448.27) 3138.27,2470 ccw(c3138.27,2491.73) U4.8@3153.64,2476.36 ; U4.8@3166.36,2463.64 cw(c3181.73,2448.27) 3181.73,2470 cw(c3181.73,2491.73) U4.8@3166.36,2476.36 ; R1.2@3168.86,1579.65 cw(c3171.92,1565.33) R1.2@3182.28,1575.68 ; R1.2@3180.2,1586.25 ccw(c3200.72,1586.25) 3186.21,1571.74 ; v1(3255,2045) 3356.43,2146.43 U2.33@3356.43,2221.09 3356.43,2279.93 C1.2@3376.5,2300 ; v1@3255,2049 ccw(c3255,2058.66) 3261.83,2051.83 ccw(c3268.66,2045) v1@3259,2045 ; C2.2@3258.66,1590.66 cw(c3229.68,1590.66) 3250.17,1570.17 cw(c3270.66,1549.68) C2.2@3270.66,1578.66 ; C2.2@3269.24,1606.21 ccw(c3257.29,1618.16) 3274.19,1618.16 ; 3274.19,1620.75 ccw(c3300.75,1620.75) C2.2@3281.97,1601.97 ; 3274.19,1635.23 ccw(c3315.23,1635.23) C2.2@3286.21,1606.21 ; U2.11@3321.49,1717.64 cw(c3313.17,1709.32) 3324.94,1709.32 cw(c3336.7,1709.32) U2.11@3328.38,1717.64 ; U2.11@3321.49,1779.65 ccw(c3313.17,1787.97) 3324.94,1787.97 ccw(c3336.7,1787.97) U2.11@3328.38,1779.65 ; v1@3322.11,1802.11 cw(c3315.28,1795.28) 3324.94,1795.28 cw(c3334.59,1795.28) v1@3327.77,1802.11 ; v1(3324.94,1804.94) U2.11@3324.94,1748.65 3324.94,1687.94 3274.19,1637.19 C2.2@3274.19,1594.19 3250,1570 3187.96,1570 R1.2@3167.46,1590.5 3130.96,1554 3052,1554 3040,1566 2649.5,1566 ; U2.33@3352.99,2190.08 cw(c3344.67,2181.76) 3356.43,2181.76 cw(c3368.2,2181.76) U2.33@3359.88,2190.08 ; U2.33@3352.99,2252.09 ccw(c3344.67,2260.41) 3356.43,2260.41 ccw(c3368.2,2260.41) U2.33@3359.88,2252.09 ; 3358.93,2282.43 ccw(c3351.6,2289.77) C1.2@3360.83,2294.52 ; 3359.55,2283.05 cw(c3371.5,2271.1) C1.2@3371.5,2288 ; R51.2@3400.23,990.99 ccw(c3378.47,969.22) 3378.47,1000 ccw(c3378.47,1030.78) R51.2@3400.23,1009.01 ; R51.2@3404.48,995.23 ccw(c3392.96,983.71) 3392.96,1000 ccw(c3392.96,1016.29) R51.2@3404.48,1004.77 ; R51.2@3422.52,995.23 cw(c3434.04,983.71) 3434.04,1000 cw(c3434.04,1016.29) R51.2@3422.52,1004.77 ; R51.2@3426.77,990.99 cw(c3448.53,969.22) 3448.53,1000 cw(c3448.53,1030.78) R51.2@3426.77,1009.01 ; C100.2@3948.01,2348.49 ccw(c3927.53,2368.97) 3956.5,2368.97 ccw(c3985.47,2368.97) C100.2@3964.99,2348.49 ; C100.2@3971.22,2332.96 cw(c3985,2322.99) 3985,2340 ; C100.2@3971.22,2347.04 ccw(c3985,2357.01) 3985,2340 ; v1@3994.14,2326.86 ccw(c3984.48,2326.86) 3991.31,2333.69 ccw(c3998.14,2340.52) v1@3998.14,2330.86 ; v1@3998.14,2322.86 cw(c3998.14,2313.2) 4004.97,2320.03 cw(c4011.8,2326.86) v1@4002.14,2326.86 ; R47.2@4050.99,2049.77 ccw(c4029.22,2071.53) 4060,2071.53 ccw(c4090.78,2071.53) R47.2@4069.01,2049.77 ; R47.2@4055.23,2045.52 ccw(c4043.71,2057.04) 4060,2057.04 ccw(c4076.29,2057.04) R47.2@4064.77,2045.52 ; R47.2@4060,2036.5 4060,2265 v1(3998.14,2326.86) 3985,2340 ; 2428.37,1643 2450.66,1643 U1.62@2484.09,1609.57 2553.66,1540 C21.2@2623.5,1540 2649.5,1566 ; 2428.37,1643 2566.37,1781 ; 2675.5,2698.5 2728,2751 2792,2751 2906.5,2636.5 C29.1@2940,2636.5 3045.5,2636.5 ; 3045.5,2636.5 3110,2572 U4.7@3110,2470 U4.8@3160,2470 3542,2470 3623,2389 3939,2389 3956.5,2371.5 C100.2@3956.5,2340 3985,2340
  Top Layer w15: C44.1@2308.17,956.94 U12.4@2624.03,956.94 U12.2@2624.03,716.94 ; C44.1@2308.62,973.73 ccw(c2349.15,1014.26) 2349.15,956.94 ; U12.4@2593.98,986.99 cw(c2521.43,1059.54) 2521.43,956.94 cw(c2521.43,854.33) 2593.98,926.89 cw(c2521.43,854.33) 2624.03,854.33 cw(c2726.64,854.33) U12.4@2654.08,926.89 ; U12.4@2604.59,976.38 cw(c2557.64,1023.33) 2557.64,956.94 cw(c2557.64,890.55) 2604.59,937.49 cw(c2557.64,890.55) 2624.03,890.55 cw(c2690.42,890.55) U12.4@2643.48,937.49 ; U12.2@2606.35,777.11 ccw(c2563.68,819.79) 2624.03,819.79 ccw(c2684.39,819.79) U12.2@2641.71,777.11
  Bottom Layer w6: v1@1551.86,1840.17 cw(c1545.04,1833.34) 1554.69,1833.34 cw(c1564.35,1833.34) 1557.52,1840.17 cw(c1564.35,1833.34) 1564.35,1843 cw(c1564.35,1852.66) v1@1557.52,1845.83 ; v1(1569.92,2641.08) 1706.84,2778 2123,2778 P10.4@2261,2916 ; v1@1569.92,2645.08 ccw(c1569.92,2654.74) 1576.75,2647.91 ccw(c1583.58,2641.08) v1@1573.92,2641.08 ; v1@1753,2024 cw(c1743.34,2024) 1750.17,2017.17 cw(c1757,2010.34) v1@1757,2020 ; v1@1757,2028 ccw(c1757,2037.66) 1763.83,2030.83 ccw(c1770.66,2024) v1@1761,2024 ; v1@1802,1562 ccw(c1792.34,1562) 1799.17,1568.83 ccw(c1806,1575.66) v1@1806,1566 ; v1@1806,1558 cw(c1806,1548.34) 1812.83,1555.17 cw(c1819.66,1562) v1@1810,1562 ; v1@1871.99,2162 cw(c1862.33,2162) 1869.16,2155.17 cw(c1875.99,2148.34) v1@1875.99,2158 ; v1@1878.81,2159.17 cw(c1885.64,2152.34) 1885.64,2162 cw(c1885.64,2171.66) v1@1878.81,2164.83 ; 1975.49,1392.51 ccw(c1984.03,1401.05) v1@1984.03,1388.97 ; 1977.9,1390.1 cw(c1972.78,1384.97) v1@1980.03,1384.97 ; v1@1984.03,1380.97 cw(c1984.03,1373.73) 1989.15,1378.85 ; v1@1988.03,1384.97 ccw(c2000.1,1384.97) 1991.56,1376.44 ; v1@2045,2218 cw(c2035.34,2218) 2042.17,2211.17 cw(c2049,2204.34) v1@2049,2214 ; v1(2049,2218) 1993,2162 v1(1875.99,2162) 1809.99,2096 1791,2096 1773,2078 1773,2040 v1(1757,2024) 1576,1843 v1(1554.69,1843) 1554.69,1813.31 v1(1806,1562) 2034,1334 v1(2119.37,1334) v1(2289.37,1504) ; v1@2116.54,1331.17 ccw(c2109.71,1324.34) 2109.71,1334 ccw(c2109.71,1343.66) v1@2116.54,1336.83 ; v1@2119.37,1338 ccw(c2119.37,1347.66) 2126.2,1340.83 ccw(c2133.03,1334) v1@2123.37,1334 ; v1(2220,2145) v1(2280,2145) ; v1@2222.83,2142.17 cw(c2229.66,2135.34) 2229.66,2145 cw(c2229.66,2154.66) v1@2222.83,2147.83 ; P10.4@2230.54,2916 cw(c2156.99,2916) 2208.99,2863.99 cw(c2261,2811.99) P10.4@2261,2885.54 ; P10.4@2236.54,2916 cw(c2177.47,2916) 2219.24,2874.24 cw(c2261,2832.47) P10.4@2261,2891.54 ; P10.4@2242.54,2916 cw(c2197.96,2916) 2229.48,2884.48 cw(c2261,2852.96) P10.4@2261,2897.54 ; v1@2277.17,2142.17 ccw(c2270.34,2135.34) 2270.34,2145 ccw(c2270.34,2154.66) v1@2277.17,2147.83 ; v1@2285.37,1504 cw(c2275.71,1504) 2282.54,1497.17 cw(c2289.37,1490.34) v1@2289.37,1500 ; v1@3255,2041 cw(c3255,2031.34) 3261.83,2038.17 cw(c3268.66,2045) v1@3259,2045 ; v1(3255,2045) 3324.94,1975.06 v1(3324.94,1804.94) ; v1@3322.11,1807.77 ccw(c3315.28,1814.59) 3324.94,1814.59 ccw(c3334.59,1814.59) v1@3327.77,1807.77 ; v1@3995.31,2329.69 ccw(c3988.48,2336.52) 3998.14,2336.52 ccw(c4007.8,2336.52) 4000.97,2329.69 ccw(c4007.8,2336.52) 4007.8,2326.86 ccw(c4007.8,2317.2) v1@4000.97,2324.03 ; TFT1.3@4026.16,2323.41 ccw(c4017.84,2315.09) 4017.84,2326.86 ccw(c4017.84,2338.63) TFT1.3@4026.16,2330.3 ; TFT1.2@4026.16,2354.91 ccw(c4017.84,2346.59) 4017.84,2358.35 ccw(c4017.84,2370.12) TFT1.2@4026.16,2361.8 ; TFT1.3@4080.79,2326.86 v1(3998.14,2326.86) 3998.14,2346.14 4010.35,2358.35 TFT1.2@4080.79,2358.35
VCC3.3A: C52.1 C53.1 C69.2 C70.1 U5.31 U13.2 U13.4 | length 2851.4
  Top Layer w8: 3240.03,786 3241.03,785 ; 3915,1030 C53.1@3962.5,1030 C52.1@3962.5,1090 ; C53.1@3949.72,1022.22 ccw(c3930.94,1003.44) 3930.94,1030 ccw(c3930.94,1056.56) C53.1@3949.72,1037.78 ; C53.1@3954.72,1037.78 ccw(c3935.94,1056.56) 3962.5,1056.56 ccw(c3989.06,1056.56) C53.1@3970.28,1037.78 ; C52.1@3954.72,1082.22 cw(c3935.94,1063.44) 3962.5,1063.44 cw(c3989.06,1063.44) C52.1@3970.28,1082.22
  Top Layer w10: 3241.03,785 v1(3285,785) ; U5.31@3801.41,1020.21 3905.21,1020.21 3915,1030 v1(3895,1050)
  Top Layer w15: C69.2@2800,896.5 2963.39,896.5 C70.1@2965,898.11 3091.11,898.11 3116.74,923.74 U13.4@3240.03,923.74 3240.03,786 ; C69.2@2805.3,891.2 cw(c2818.11,878.39) 2818.11,896.5 cw(c2818.11,914.61) C69.2@2805.3,901.8 ; 2931.7,896.5 ccw(c2931.7,931.41) C70.1@2956.38,906.73 ; 2939.47,896.5 cw(c2939.47,872.58) C70.1@2956.38,889.49 ; C70.1@2973.62,889.49 cw(c2994.42,868.69) 2994.42,898.11 cw(c2994.42,927.53) C70.1@2973.62,906.73 ; U13.4@3209.98,953.79 cw(c3137.43,1026.35) 3137.43,923.74 cw(c3137.43,821.14) 3209.98,893.69 cw(c3137.43,821.14) 3240.03,821.14 cw(c3342.64,821.14) U13.4@3270.08,893.69 ; U13.4@3220.59,943.19 cw(c3173.64,990.13) 3173.64,923.74 cw(c3173.64,857.35) 3220.59,904.3 cw(c3173.64,857.35) 3240.03,857.35 cw(c3306.42,857.35) U13.4@3259.48,904.3 ; U13.2@3222.48,744.04 ccw(c3181.11,786) 3240.03,786 ; U13.2@3240.03,683.74 3240.03,786 ; U13.2@3257.58,744.04 cw(c3298.95,786) 3240.03,786
  Bottom Layer w10: v1(3285,785) 3425,645 3755,645 3895,785 v1(3895,1050)
VCC5: C45.2 C68.2 C97.2 L7.2 POWER.2 R43.2 R50.2 U12.3 U13.3 | length 8576.1
  Top Layer w10: U13.3@3338.26,639.47 ccw(c3373.2,674.41) 3373.2,625 ; U13.3@3345.34,646.54 ccw(c3397.35,698.55) 3397.35,625 ; U13.3@3352.41,653.61 ccw(c3421.49,722.7) 3421.49,625 ; U13.3@3359,625 4032.78,625 4079,671.22 R50.2@4079,674.5 ; U13.3@3359.48,660.69 ccw(c3445.63,746.84) 3445.63,625 ; 3926.89,2517.61 cw(c3901.29,2492) C97.2@3937.5,2492 ; 3926.89,2582.39 ccw(c3901.29,2608) R43.2@3937.5,2608 ; R43.2@3937.16,2592.66 cw(c3948.25,2581.57) R43.2@3948.25,2597.25 ; C97.2@3938.96,2505.54 ccw(c3947.5,2514.07) C97.2@3947.5,2502 ; C97.2@3952.5,2492 3916,2528.5 3916,2571.5 R43.2@3952.5,2608 ; 4059,651.22 cw(c4079,631.22) R50.2@4079,659.5 ; 4061.34,653.55 ccw(c4044.64,670.25) R50.2@4068.25,670.25
  Top Layer w15: U12.3@2706.35,777.11 ccw(c2663.68,819.79) 2724.03,819.79 ccw(c2784.39,819.79) U12.3@2741.71,777.11 ; U12.3@2724.03,716.94 v1(2724.03,838.97) ; U12.3@2732.76,712.06 cw(c2774.43,688.76) 2774.43,736.5 ; U12.3@2743.6,736.5 C45.2@2800,736.5 ccw(c2800,674.47) U12.3@2745.85,704.74 ; C45.2@2794.7,731.2 ccw(c2781.89,718.39) 2781.89,736.5 ccw(c2781.89,754.61) C45.2@2794.7,741.8 ; v1(2870.47,2785) POWER.2@2870.47,2861.42 ; v1(3306.03,838.97) 3340.03,804.97 U13.3@3340.03,683.74 C68.2@3412.79,756.5 ; U13.3@3315.67,682.58 ccw(c3326.66,702.28) U13.3@3342.62,686.33 ; U13.3@3322.35,743.92 ccw(c3279.68,786.6) 3340.03,786.6 ccw(c3400.39,786.6) U13.3@3357.71,743.92 ; U13.3@3322.98,695.68 ccw(c3336.72,720.3) U13.3@3356.65,700.36 ; U13.3@3330.29,708.78 ccw(c3346.77,738.31) U13.3@3370.69,714.4 ; U13.3@3337.6,721.87 ccw(c3356.82,756.33) 3384.72,728.43 ; U13.3@3344.9,734.97 ccw(c3366.87,774.35) 3398.76,742.46 ; U13.3@3352.21,748.07 ccw(c3376.93,792.36) C68.2@3412.79,756.5 ; 3386.36,730.06 cw(c3420,696.42) C68.2@3420,744 ; C68.2@3420,756.5 C68.2@3412.79,756.5 ; v1(3940,2445) 3952.5,2457.5 C97.2@3952.5,2492 ; C97.2@3947.2,2486.7 cw(c3934.39,2473.89) 3952.5,2473.89 cw(c3970.61,2473.89) C97.2@3957.8,2486.7
  Top Layer w20: R43.2@3952.5,2608 3964,2608 4016,2660 L7.2@4016,2694.39 ; R43.2@3956.75,2613.75 ccw(c3956.75,2645.12) 3978.94,2622.94
  Bottom Layer w15: v1(2724.03,838.97) v1(3306.03,838.97) ; v1(2724.03,838.97) 2081,839 1413,1507 1413,2389 1660,2636 2721.47,2636 v1(2870.47,2785) 3378,2785 3718,2445 v1(3940,2445)
VREF: C23.2 C24.2 R4.1 U1.32 U1.33 | length 775.8
  Top Layer w6: 1910.98,1065.52 ccw(c1940,1094.54) C23.2@1940,1053.5 ; 1921.22,1055.28 ccw(c1940,1074.06) C23.2@1940,1047.5 ; 1923.05,1053.45 cw(c1911.1,1041.5) C23.2@1928,1041.5 ; U1.32@1941.23,1317.26 1906,1282.03 1906,1254.19 ; C23.2@1948.49,1028.01 cw(c1968.97,1007.53) 1968.97,1036.5 cw(c1968.97,1065.47) C23.2@1948.49,1044.99 ; U1.33@1955.15,1303.35 1906,1254.19 ; C24.2@1991.51,1028.01 ccw(c1971.03,1007.53) 1971.03,1036.5 ccw(c1971.03,1065.47) C24.2@1991.51,1044.99 ; C24.2@2008.49,1028.01 cw(c2028.97,1007.53) 2028.97,1036.5 cw(c2028.97,1065.47) C24.2@2008.49,1044.99 ; R4.1@2050.99,1027.49 ccw(c2029.22,1005.72) 2029.22,1036.5 ccw(c2029.22,1067.28) R4.1@2050.99,1045.51 ; R4.1@2055.23,1031.73 ccw(c2043.71,1020.21) 2043.71,1036.5 ccw(c2043.71,1052.79) R4.1@2055.23,1041.27 ; R4.1@2060,1036.5 C24.2@2000,1036.5 C23.2@1940,1036.5 1906,1070.5 1906,1254.19
VUSB: POWER.3 USB_HOST.1 | length 324.2
  Top Layer w15: USB_HOST.1@2575.4,2786.65 2575.4,2755.6 2589,2742 2674,2742 2775,2843 POWER.3@2811,2843 ; 2799.32,2843 ccw(c2799.32,2855.8) POWER.3@2808.37,2846.75
pads on no net: "POWER. " BAT.0 J3.4 J3.5 J3.9 J3.10 PJ1. POWER.0 POWER.1 TF_CARD.0 TF_CARD.9 TFT1.25 TFT1.26 TFT1.27 TFT1.28 TFT1.29 TFT1.30 TFT1.31 TFT1.32 TFT1.33 TFT1.36 U5.15 U5.21 U5.22 USB_HOST.4

## Polygon pours and split planes (outlines as drawn)
GND on Top Layer "Top Layer-No Net" (solid, remove dead copper, pour order 1000): 1000,3020 1000,597 4789,597 4789,3020
GND on Bottom Layer "Top Layer-No Net" (solid, remove dead copper, pour order 1001): 1000,3020 1000,597 4789,597 4789,3020

## Keep-outs
Keep-Out Layer:
  the board outline again, w6

## Other copper
Top Layer:
  rectangle net GND: 3713,1718 3727,1754
  rectangle net GND: 3017,2876 3070,3004
  rectangle net GND: 2730,2881 2782,3003
  rectangle net GND: 2329,2865.17 2674.29,2979.86
  rectangle net GND: 2625,2806.58 2706.14,2965.74
  rectangle net GND: 2442.88,2734.24 2475.75,2796.8
  rectangle net GND: 1770,2866 2017.31,3001.65
  rectangle net GND: 1172.4,2890.75 1283.1,3001.65
  rectangle net GND: 1815.24,2522.13 1885,2620
  rectangle net GND: 1212.4,2512 1316,2601.65
  rectangle net GND: 3718.35,1725 3725.74,1733.16
  rectangle net GND: 4192,1621.37 4367.32,1714
  rectangle net GND: 4199.53,1907 4383,2022.95
Bottom Layer:
  rectangle net GND: 2268,2538 2693,2586
  rectangle net GND: 1915,2535 2167,2600
  rectangle net GND: 2567,2439 2826,2484
  rectangle net GND: 2743,2230 2826,2484
  rectangle net GND: 3603,861 3776,1064

## Silkscreen, mask and mechanical layers (free items; w line width, h text height)
Top Overlay:
  text "GND  JTCK  JTDO  JTMS" at 1951,2973 h32
Top Solder:
  text "F407" at 3416,2615 h122 r90
  text "Lovelessing..." at 2440,1142 h120

## Text inside footprints (layer, text, board x,y; h text height)
J3: Top Overlay "1" at 4208,1911 h30 r270; Top Overlay "8" at 4208,1727 h30 r270
TF_CARD: Top Overlay "1" at 1444,2616 h30 r180; Top Overlay "2" at 1487,2615 h30 r180; Top Overlay "3" at 1529,2615 h30 r180; Top Overlay "4" at 1576,2615 h30 r180; Top Overlay "5" at 1618,2614 h30 r180; Top Overlay "6" at 1660,2614 h30 r180; Top Overlay "7" at 1702,2614 h30 r180; Top Overlay "8" at 1746,2613 h30 r180; Top Overlay "Cd" at 1799,2591 h30 r90
U12: Top Overlay "1" at 2518.03,889.94 h24; Top Overlay "3" at 2698.03,889.94 h24
U13: Top Overlay "1" at 3134.03,856.74 h50